# Altium PCB PDM.PcbDoc (part 3 of 4) (continued)
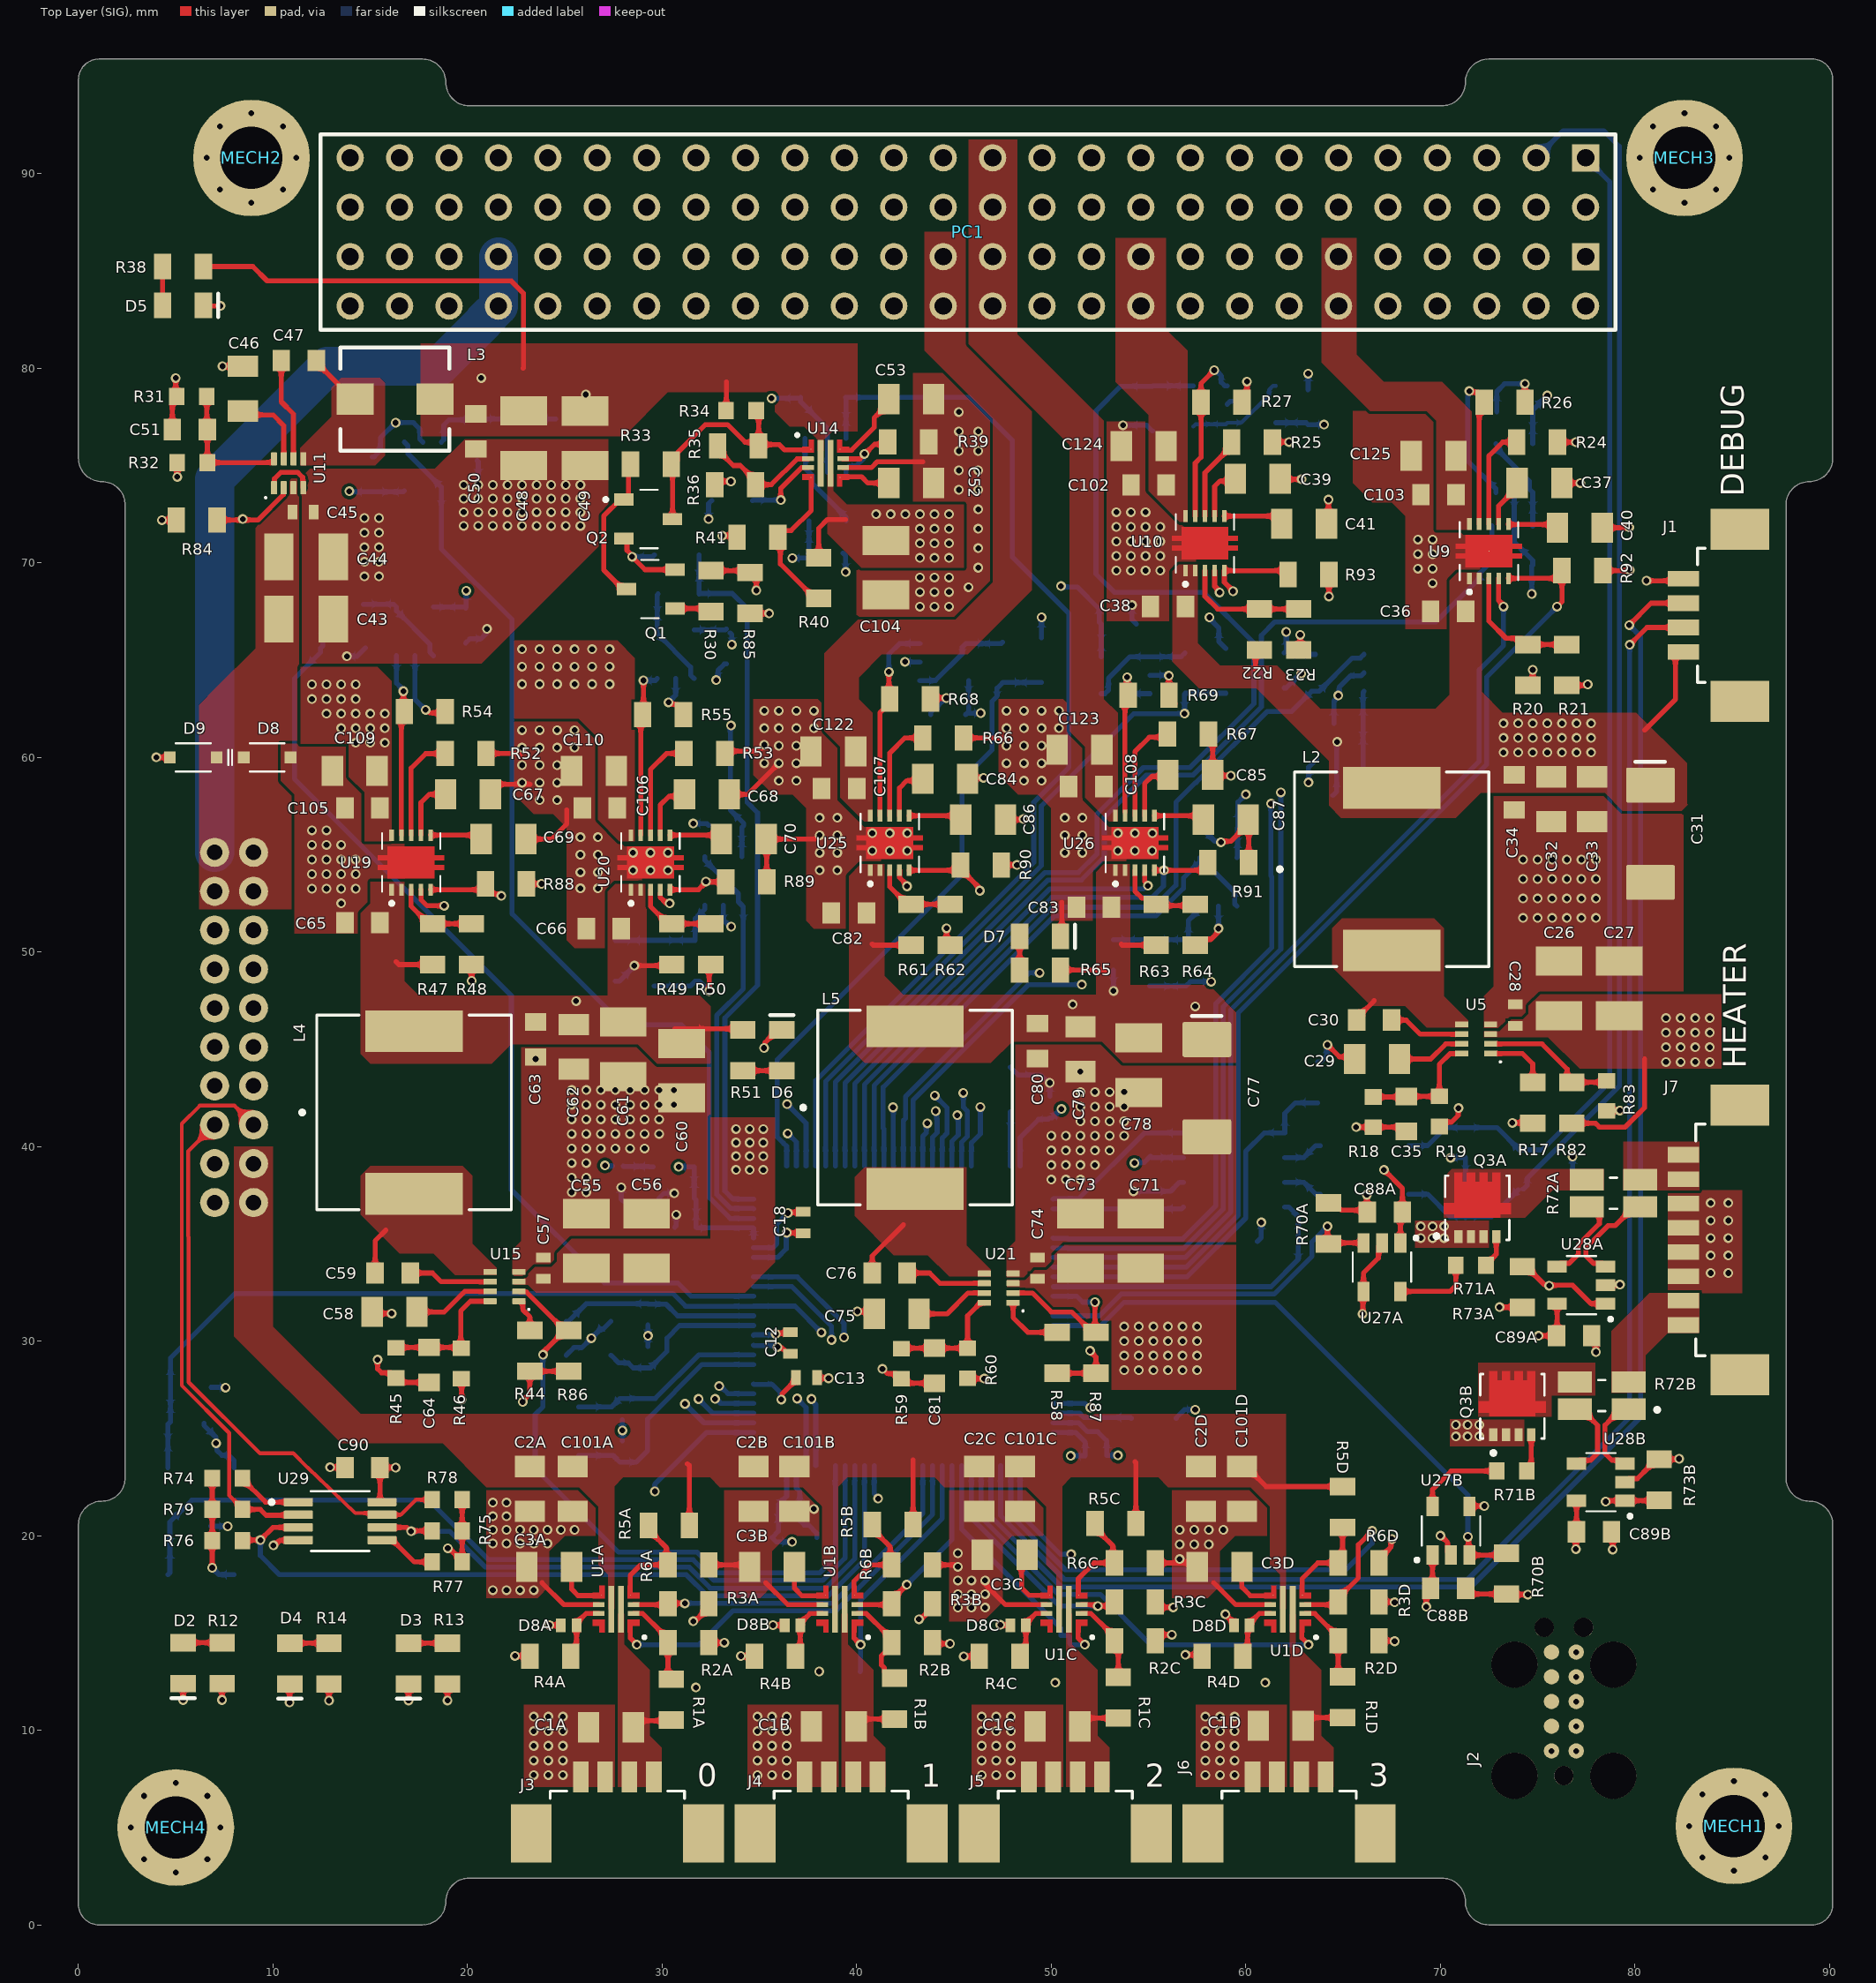
[diagram p0: Top Layer (SIG) view]
## Nets (pads, with @x,y where several pads share a name; then routed paths per layer and width w, separated by ;. In a path a pad name is that pad's centre, name@x,y a point inside that pad or via, vN(x,y) a via of type N, cw(c..) or ccw(c..) an arc to the next point about the centre after c; other vN are vias at no path point) (continued)
  Top Layer (SIG) w0.254: C30.1@65.7,46.5 65.7,46.6 66.6,47.5
NetC30_2: C30.2 U5.6 | length 3.9
  Top Layer (SIG) w0.254: C30.2@67.5,46.5 68.25,46.5 68.975,45.775 U5.6@71.1,45.775
NetC35_1: C35.1 R18.1 R19.2 U5.8 | length 6.4
  Top Layer (SIG) w0.254: R18.1@66.55,42.55 68.224,42.55 C35.1@68.25,42.575 ; C35.1@68.25,42.575 R19.2@69.95,42.575 69.95,44.225 70.5,44.775 U5.8@71.1,44.775
NetC37_2: C37.2 U9.7 | length 2.5
  Top Layer (SIG) w0.254: U9.7@73,72 73,72.925 73.95,73.875 C37.2@73.95,74.1
NetC39_2: C39.2 U10.7 | length 2.8
  Top Layer (SIG) w0.254: U10.7@58.4,72.4 58.4,73.925 58.675,74.2 59.353,74.2 C39.2@59.466,74.312
NetC40_2: C40.2 U9.6 | length 2.6
  Top Layer (SIG) w0.254: U9.6@73.5,72 73.5,71.976 73.507,71.969 75.856,71.969 C40.2@76.025,71.8
NetC41_2: C41.2 U10.6 | length 3.1
  Top Layer (SIG) w0.254: U10.6@58.9,72.4 61.45,72.4 C41.2@61.85,72
NetC42_2: C42.2 R28.1 R29.2 U12.3 | length 6.8
  Bottom Layer (SIG) w0.254: U12.3@18.65,76.2 18.781,76.331 18.781,77.081 19.05,77.35 R29.2@20.5,77.35 20.55,77.4 C42.2@22.7,77.4 R28.1@24.526,77.4
NetC46_2: C46.2 U11.7 | length 4.1
  Top Layer (SIG) w0.254: C46.2@8.45,77.8 8.65,77.6 10,77.6 10.55,77.05 U11.7@10.55,75.34
NetC47_1: C47.1 L3.1 U11.5 | length 2
  Top Layer (SIG) w0.254: C47.1@12.225,80.4 12.225,80.3 13.5,79.025 L3.1@13.5,78.974
NetC47_2: C47.2 U11.6 | length 5.3
  Top Layer (SIG) w0.254: C47.2@10.425,80.4 10.425,78.275 11.05,77.65 U11.6@11.05,75.34
NetC51_1: C51.1 R31.1 R32.2 U11.8 | length 7
  Top Layer (SIG) w0.254: R31.1@6.599,78.55 6.599,76.876 C51.1@6.625,76.85 R32.2@6.625,75.15 ; R32.2@6.625,75.15 10.027,75.15 10.05,75.173 U11.8@10.05,75.34
NetC52_2: C52.2 U14.7 | length 2.6
  Top Layer (SIG) w0.254: U14.7@39.15,74.391 39.178,74.42 40.255,74.42 40.575,74.1 C52.2@41.65,74.1
NetC53_2: C53.2 U14.10 | length 4
  Top Layer (SIG) w0.254: U14.10@39.15,75.841 39.204,75.788 39.735,75.788 40.9,76.953 40.9,77.441 41.65,78.191 C53.2@41.65,78.416
NetC54_2: C54.2 R42.1 R43.2 U16.3 | length 6.1
  Bottom Layer (SIG) w0.254: R42.1@27.6,50.6 R43.2@31.7,50.6 31.7,51.71 32.2,52.21 U16.3@32.2,52.4
NetC58_2: C58.2 U15.7 | length 4.2
  Top Layer (SIG) w0.254: C58.2@17.4,31.5 18.8,31.5 19.85,32.55 U15.7@21.16,32.55
NetC59_1: C59.1 L4.1 U15.5 | length 2.4
  Top Layer (SIG) w0.254: C59.1@15.25,33.5 15.25,35.15 15.8,35.7
NetC59_2: C59.2 U15.6 | length 4.3
  Top Layer (SIG) w0.254: C59.2@17.05,33.5 18.2,33.5 18.65,33.05 U15.6@21.16,33.05
NetC64_1: C64.1 R45.1 R46.2 U15.8 | length 7
  Top Layer (SIG) w0.254: R45.1@16.325,29.649 16.351,29.675 C64.1@18.025,29.675 19.625,29.675 R46.2@19.675,29.625 19.648,29.651 19.648,31.548 20.15,32.05 U15.8@21.16,32.05
NetC67_2: C67.2 U19.7 | length 3.1
  Top Layer (SIG) w0.254: U19.7@17.6,56 17.6,57.675 18.025,58.1 C67.2@18.875,58.1
NetC68_2: C68.2 U20.7 | length 3
  Top Layer (SIG) w0.254: U20.7@29.9,56 29.9,57.55 30.35,58 31.05,58 C68.2@31.15,58.1
NetC69_2: C69.2 U19.6 | length 2.6
  Top Layer (SIG) w0.254: U19.6@18.1,56 20.277,56 C69.2@20.7,55.8
NetC70_2: C70.2 U20.6 | length 2.7
  Top Layer (SIG) w0.254: U20.6@30.4,56 32.85,56 C70.2@33.05,55.8
NetC72_2: C72.2 R56.1 R57.2 U22.3 | length 5.9
  Bottom Layer (SIG) w0.254: R56.1@53.2,50.624 R57.2@57.101,50.624 ; R57.2@57.15,50.575 R57.2@57.101,50.624 ; U22.3@57.716,52.284 57.05,51.618 57.05,50.675 R57.2@57.101,50.624
NetC75_2: C75.2 U21.7 | length 3.8
  Top Layer (SIG) w0.254: C75.2@43.2,31.4 44.65,31.4 45.725,32.475 U21.7@46.56,32.475
NetC76_1: C76.1 L5.1 U21.5 | length 3.1
  Top Layer (SIG) w0.254: C76.1@40.8,33.5 40.8,34.376 42.402,35.977
NetC76_2: C76.2 U21.6 | length 4.2
  Top Layer (SIG) w0.254: C76.2@42.601,33.501 43.749,33.501 44.275,32.975 U21.6@46.56,32.975
NetC81_1: C81.1 R59.1 R60.2 U21.8 | length 6.2
  Top Layer (SIG) w0.254: R59.1@42.3,29.612 42.325,29.637 R60.2@45.7,29.637 45.7,31.3 46.352,31.952 46.537,31.952 U21.8@46.56,31.975
NetC84_2: C84.2 U25.7 | length 2.8
  Top Layer (SIG) w0.254: U25.7@42.2,57 42.2,58.425 42.575,58.8 43.3,58.8 C84.2@43.4,58.9
NetC85_2: C85.2 U26.7 | length 3
  Top Layer (SIG) w0.254: U26.7@54.8,57 54.8,58.65 55.175,59.025 55.925,59.025 C85.2@56,59.1
NetC86_2: C86.2 U25.6 | length 2.7
  Top Layer (SIG) w0.254: U25.6@42.7,57 45.15,57 C86.2@45.35,56.8
NetC87_2: C87.2 U26.6 | length 2.6
  Top Layer (SIG) w0.254: U26.6@55.3,57 57.625,57 C87.2@57.825,56.8
NetD2_A: D2.A R12.1 | length 2
  Top Layer (SIG) w0.254: D2.A@5.38,14.5 R12.1@7.38,14.5
NetD3_A: D3.A R13.1 | length 2
  Top Layer (SIG) w0.254: D3.A@16.966,14.475 R13.1@18.966,14.475
NetD4_A: D4.A R14.1 | length 2
  Top Layer (SIG) w0.254: D4.A@10.866,14.475 R14.1@12.866,14.475
NetD5_A: D5.A R38.1 | length 2
  Top Layer (SIG) w0.254: D5.A@4.325,83.228 R38.1@4.325,85.228
NetD6_A: D6.A R51.1 | length 2
  Top Layer (SIG) w0.254: R51.1@34.15,43.9 D6.A@36.15,43.9
NetD7_A: D7.A R65.1 | length 1.7
  Top Layer (SIG) w0.254: R65.1@48.375,49.075 D7.A@48.375,50.8
NetD8A_2: D8A.2 R4A.2 U1A.9 | length 3
  Top Layer (SIG) w0.254: R4A.2@25.3,13.8 25.6,14.1 D8A.2@25.6,15.4 ; D8A.2@25.681,15.594 25.694,15.594 25.723,15.623 25.723,15.636 26.087,16 U1A.9@26.736,16
NetD8B_2: D8B.2 R4B.2 U1B.9 | length 3
  Top Layer (SIG) w0.254: R4B.2@36.85,13.8 37.1,14.05 D8B.2@37.1,15.4 ; D8B.2@37.1,15.5 37.6,16 U1B.9@38.236,16
NetD8C_2: D8C.2 R4C.2 U1C.9 | length 3
  Top Layer (SIG) w0.254: R4C.2@48.4,13.8 48.7,14.1 D8C.2@48.7,15.4 ; D8C.2@48.7,15.5 49.198,15.998 49.759,15.998 U1C.9@49.761,16
NetD8D_2: D8D.2 R4D.2 U1D.9 | length 3
  Top Layer (SIG) w0.254: R4D.2@59.85,13.8 60.093,14.043 60.093,15.293 D8D.2@60.2,15.4 ; D8D.2@60.2,15.5 60.698,15.998 61.259,15.998 U1D.9@61.261,16
NetJ7_1: J7.1 J7.2 R72B.1
NetJ7_7: J7.7 J7.8 R72A.1
NetL1_1: L1.1 U4.7 | length 2.1
  Bottom Layer (SIG) w0.254: U4.7@62.005,38.165 62.985,38.165 63.6,37.55 L1.1@63.825,37.55
NetL1_2: L1.2 U4.6 | length 2.1
  Bottom Layer (SIG) w0.254: U4.6@62.005,39.435 62.985,39.435 63.6,40.05 L1.2@63.825,40.05
NetQ1_D: Q1.D Q2.G R33.1 | length 7.7
  Top Layer (SIG) w0.254: Q2.G@28.025,73.25 28.083,73.25 28.266,73.433 28.266,74.961 R33.1@28.373,75.069 ; Q2.G@28.034,73.25 27.844,73.25 27,72.406 27,69.626 27.976,68.65 Q1.D@28.166,68.65
NetQ1_G: Q1.G R30.1 | length 1.9
  Top Layer (SIG) w0.254: Q1.G@30.666,67.65 32.366,67.65 R30.1@32.516,67.5
NetQ2_D: Q2.D R33.2 R34.1 R35.2 U14.1 | length 13.5
  Top Layer (SIG) w0.254: Q2.D@30.534,72.25 30.534,75.001 30.796,75.264 30.796,75.671 32.226,77.1 33.362,77.1 34.268,76.195 34.772,76.195 R35.2@34.95,76.016 35.009,76.075 36.025,76.075 36.294,75.806 37.615,75.806 U14.1@37.65,75.841 ; R34.1@34.65,77.816 34.658,77.816 34.966,77.508 R35.2@34.966,76.033
NetQ3A_D: Q3A.D R72A.4
NetQ3A_G: Q3A.G R71A.2 | length 1.7
  Top Layer (SIG) w0.254: R71A.2@72.349,33.9 72.349,33.937 72.875,34.463 Q3A.G@72.875,35.38
NetQ3B_D: Q3B.D R72B.4
NetQ3B_G: Q3B.G R71B.2 | length 1.9
  Top Layer (SIG) w0.254: R71B.2@74.45,23.325 74.675,23.55 Q3B.G@74.675,25.18
NetR1A_1: R1A.1 R2A.2 U1A.2 | length 4.5
  Top Layer (SIG) w0.254: U1A.2@28.536,16 29.003,16 29.977,15.026 29.977,14.823 R2A.2@30.3,14.5 30.3,12.8 R1A.1@30.475,12.625
NetR1B_1: R1B.1 R2B.2 U1B.2 | length 5
  Top Layer (SIG) w0.254: U1B.2@40.036,16 40.496,16 41.473,15.023 41.477,15.023 41.8,14.7 41.8,14.3 41.477,13.977 41.419,13.977 41.27,13.828 41.27,13.355 41.427,13.198 41.427,12.998 41.75,12.675 R1B.1@41.95,12.675
NetR1C_1: R1C.1 R2C.2 U1C.2 | length 4.3
  Top Layer (SIG) w0.254: U1C.2@51.561,16 52.044,16 52.921,15.123 52.927,15.123 53.45,14.6 R1C.1@53.45,12.725
NetR1D_1: R1D.1 R2D.2 U1D.2 | length 4.3
  Top Layer (SIG) w0.254: U1D.2@63.061,16 63.063,15.998 63.552,15.998 64.75,14.8 R2D.2@64.75,14.6 64.75,12.975 R1D.1@64.975,12.75
NetR5A_1: R5A.1 R6A.2 U1A.4 | length 5.6
  Top Layer (SIG) w0.254: U1A.4@28.386,16.95 28.362,16.974 28.362,17.962 28.9,18.5 R6A.2@30.3,18.5 30.221,18.579 30.221,19.382 29.623,19.98 29.623,20.202 R5A.1@29.3,20.525
NetR5B_1: R5B.1 R6B.2 U1B.4 | length 4.7
  Top Layer (SIG) w0.254: U1B.4@39.886,16.95 39.865,16.971 39.865,17.665 40.7,18.5 R6B.2@41.8,18.5 ; R5B.1@41.123,20.03 41.721,19.432 R6B.2@41.721,18.629
NetR5C_1: R5C.1 R6C.2 U1C.4 | length 4.9
  Top Layer (SIG) w0.254: U1C.4@51.411,16.95 51.393,16.969 51.393,17.793 52.2,18.6 R6C.2@53.25,18.6 ; R5C.1@52.25,20.425 R5C.1@52.25,20.625 ; R5C.1@52.573,20.08 53.171,19.482 R6C.2@53.171,18.679
NetR5D_1: R5D.1 R6D.2 U1D.4 | length 5
  Top Layer (SIG) w0.254: U1D.4@62.911,16.95 62.892,16.969 62.892,17.792 63.7,18.6 R6D.2@64.75,18.6 64.975,18.825 R5D.1@64.975,20.425
NetR7_1: R7.1 U7.1 U7.4 | length 5
  Bottom Layer (SIG) w0.254: U7.4@72.85,76.118 73.033,75.935 73.033,75.735 74.567,74.201 74.567,73.801 U7.1@74.75,73.618 R7.1@74.75,71.893
NetR17_2: R17.2 U5.1 | length 3.3
  Top Layer (SIG) w0.254: U5.1@72.58,44.775 74.225,44.775 74.75,44.25 R17.2@74.75,43.3
NetR20_1: R20.1 R21.2 U9.3 | length 6.7
  Top Layer (SIG) w0.254: U9.3@72.5,69.2 72.5,67 73.377,66.123 74.177,66.123 R20.1@74.5,65.8 R21.2@76.5,65.8
NetR22_1: R22.1 R23.2 U10.3 | length 6.4
  Top Layer (SIG) w0.254: U10.3@57.9,69.6 57.9,68.275 58.55,67.625 R22.1@60.7,67.625 R23.2@62.725,67.625
NetR24_2: R24.2 U9.8 | length 5.2
  Top Layer (SIG) w0.254: U9.8@72.5,72 72.5,75.5 73.2,76.2 R24.2@73.925,76.2
NetR25_2: R25.2 U10.8 | length 4.4
  Top Layer (SIG) w0.254: U10.8@57.9,72.4 57.9,74.625 59.275,76 R25.2@59.275,76.2
NetR35_1: R35.1 R36.2 U14.2 | length 6.3
  Top Layer (SIG) w0.254: R35.1@32.85,76.016 32.85,75.816 33.666,75 34.016,75 34.8,74.216 R36.2@34.8,74.016 35.616,74.016 36.941,75.341 U14.2@37.5,75.341
NetR40_1: R40.1 R41.2 U14.4 | length 8.1
  Top Layer (SIG) w0.254: R41.2@35.95,71.316 36.077,71.19 36.077,69.94 37.85,68.166 R40.1@38.05,68.166 ; R41.2@35.95,71.334 36.273,71.657 36.632,71.657 37.667,72.692 37.667,74.375
NetR44_2: R44.2 U15.1 | length 1.8
  Top Layer (SIG) w0.254: U15.1@22.64,32.05 22.825,32.05 22.848,32.027 22.848,31.605 23.2,31.253 R44.2@23.2,30.55
NetR47_1: R47.1 R48.2 U19.3 | length 4.3
  Top Layer (SIG) w0.254: U19.3@17.1,53.2 17.1,52.35 18,51.45 R47.1@18.2,51.45 R48.2@20.2,51.45
NetR49_1: R49.1 R50.2 U20.3 | length 4.3
  Top Layer (SIG) w0.254: U20.3@29.4,53.2 29.4,52.35 30.3,51.45 R49.1@30.5,51.45 R50.2@32.5,51.45
NetR52_2: R52.2 U19.8 | length 5.5
  Top Layer (SIG) w0.254: U19.8@17.1,56 17.1,59.45 17.843,60.193 18.843,60.193 R52.2@18.85,60.2
NetR53_2: R53.2 U20.8 | length 5.4
  Top Layer (SIG) w0.254: U20.8@29.4,56 29.4,59.375 30.225,60.2 R53.2@31.125,60.2
NetR58_2: R58.2 U21.1 | length 3.3
  Top Layer (SIG) w0.254: U21.1@48.04,31.975 48.04,31.21 48.8,30.45 R58.2@50.3,30.45
NetR61_1: R61.1 R62.2 U25.3 | length 4.3
  Top Layer (SIG) w0.254: U25.3@41.7,54.2 41.7,53.35 42.6,52.45 R61.1@42.8,52.45 R62.2@44.8,52.45
NetR63_1: R63.1 R64.2 U26.3 | length 4.5
  Top Layer (SIG) w0.254: U26.3@54.3,54.2 54.3,53.129 54.656,52.773 55.077,52.773 55.466,52.384 57.334,52.384 R64.2@57.4,52.45
NetR66_2: R66.2 U25.8 | length 5.2
  Top Layer (SIG) w0.254: U25.8@41.7,57 41.7,60.225 42.475,61 R66.2@43.4,61
NetR67_2: R67.2 U26.8 | length 5.3
  Top Layer (SIG) w0.254: U26.8@54.3,57 54.3,60.294 55.043,61.037 55.812,61.037 R67.2@55.975,61.2
NetR71A_1: R71A.1 U27A.5 | length 4
  Top Layer (SIG) w0.254: U27A.5@67.95,32.55 70.5,32.55 70.801,32.851 R71A.1@70.801,33.9
NetR71B_1: R71B.1 U27B.5 | length 4.6
  Top Layer (SIG) w0.254: U27B.5@69.6,21.5 69.6,22.375 70.55,23.325 R71B.1@72.901,23.325
NetR72A_2: R72A.2 U28A.3 | length 5.3
  Top Layer (SIG) w0.254: U28A.3@78.5,33.825 78.317,34.008 77.851,34.008 77.475,34.384 77.475,34.788 78.624,35.937 78.987,35.937 79.95,36.9 R72A.2@80.275,36.9
NetR72A_3: R72A.3 U28A.4 | length 4.7
  Top Layer (SIG) w0.254: U28A.4@76,33.825 76.183,34.008 76.641,34.008 77.091,34.458 77.091,34.947 78.179,36.035 78.179,36.477 77.756,36.9 R72A.3@77.525,36.9
NetR72B_2: R72B.2 U28B.3 | length 4.1
  Top Layer (SIG) w0.254: U28B.3@79.308,23.702 79.127,23.883 78.812,23.883 78.467,24.228 78.467,25.683 78.861,26.077 79.252,26.077 R72B.2@79.675,26.5
NetR72B_3: R72B.3 U28B.4 | length 4.2
  Top Layer (SIG) w0.254: R72B.3@76.925,26.5 77.25,26.5 78.083,25.667 78.083,24.233 77.733,23.883 77.183,23.883 U28B.4@77,23.7
NetR77_1: R77.1 U29.5 | length 3
  Top Layer (SIG) w0.254: U29.5@15.6,19.775 16.135,19.775 17.26,18.65 R77.1@18.176,18.65
NetR82_1: R82.1 R83.2 U5.2 | length 7.1
  Top Layer (SIG) w0.254: U5.2@72.58,45.275 75.225,45.275 76.518,43.982 76.518,43.532 R82.1@76.75,43.3 78.475,43.3 R83.2@78.55,43.375
NetR94_1: R94.1 U8.1 U8.4 | length 5.3
  Bottom Layer (SIG) w0.2: R94.1@57.3,77 57.425,77.125 58.975,77.125 U8.1@59.05,77.2 59.775,77.2 61.195,78.62 61.195,78.89 61.405,79.1 U8.4@61.55,79.1
NetR95_1: R95.1 U13.1 U13.4 | length 5.1
  Bottom Layer (SIG) w0.254: R95.1@37.35,76.4 37.35,75.369 37.367,75.352 37.367,74.833 U13.1@37.55,74.65 37.733,74.467 37.733,74.057 39.45,72.34 U13.4@39.45,72.15
NetR96_1: R96.1 U17.1 U17.4 | length 5
  Bottom Layer (SIG) w0.254: R96.1@14.65,67.875 16.2,67.875 U17.4@16.35,67.725 16.35,67.535 18.067,65.818 18.067,65.408 U17.1@18.25,65.225
NetR97_1: R97.1 U18.1 U18.4 | length 5.2
  Bottom Layer (SIG) w0.254: R97.1@29.8,68.4 29.75,68.35 U18.4@29.75,66.55 29.75,66.36 31.467,64.643 31.467,64.233 U18.1@31.65,64.05
NetR98_1: R98.1 U23.1 U23.4 | length 5.3
  Bottom Layer (SIG) w0.254: U23.1@43.25,63.95 44.05,63.95 45.43,65.33 45.43,65.667 45.613,65.85 47.427,65.85 R98.1@47.5,65.923
NetR99_1: R99.1 U24.1 U24.4 | length 5.5
  Bottom Layer (SIG) w0.254: U24.4@52.572,63.275 52.762,63.275 52.945,63.458 52.945,64.07 54.05,65.175 U24.1@55.072,65.175 56.675,65.175 R99.1@56.875,65.375
nRST: C20.2 J2.10 R9.1 S2.1 U3.14 | length 91
  Layer 3 (SIG) w0.254: v1(38.183,30.443) 38.182,30.442 38.182,29.493 40.968,26.707 47.179,26.707 49.235,24.651 49.235,20.123 52.458,16.9 63.494,16.9 69.358,11.036 69.4,11.036 69.445,10.991 73.659,10.991 v1(75.715,8.935)
  Bottom Layer (SIG) w0.254: S2.1@4.6,23.5 4.6,25.725 C20.2@4.65,25.775 4.725,25.85 R9.1@4.725,27.625 4.725,29.125 8.05,32.45 30.55,32.45 31.209,31.791 U3.14@34.691,31.791 ; U3.14@34.7,31.8 36.825,31.8 v1@38.182,30.443
OBC_IOCP: R26.2 U7.3 U9.9 | length 13.3
  Top Layer (SIG) w0.254: v1(71.493,78.823) 71.559,78.823 71.61,78.773 71.927,78.773 72.25,78.45 R26.2@72.25,78.25 72,78 U9.9@72,72
  Bottom Layer (SIG) w0.254: v1(71.493,78.823) 71.446,78.776 71.446,78.602 71.4,78.557 71.4,75.258 72.85,73.808 U7.3@72.85,73.618
PANEL0: C1A.2 J3.3 J3.4 R1A.2 U1A.5 | length 2.1
  Top Layer (SIG) w0.254: C1A.2@28.525,10.15 28.863,10.488 30.438,10.488 R1A.2@30.475,10.525
PANEL1: C1B.2 J4.3 J4.4 R1B.2 U1B.5 | length 1.8
  Top Layer (SIG) w0.254: C1B.2@40.131,10.539 40.167,10.575 R1B.2@41.95,10.575
PANEL2: C1C.2 J5.3 J5.4 R1C.2 U1C.5 | length 2.2
  Top Layer (SIG) w0.254: C1C.2@51.475,10.2 51.475,10.202 51.898,10.625 R1C.2@53.45,10.625
PANEL3: C1D.2 J6.3 J6.4 R1D.2 U1D.5 | length 2.2
  Top Layer (SIG) w0.254: C1D.2@62.95,10.225 C1D.2@62.95,10.225 63.373,10.65 R1D.2@64.975,10.65
PANEL_EN0: R100A.2 U1A.1 U3.85 | length 21.7
  Top Layer (SIG) w0.254: U1A.1@28.386,15.5 28.362,15.476 28.362,14.738 v1(28.7,14.4)
  Bottom Layer (SIG) w0.254: v1(28.7,14.4) 31.9,14.4 33.647,16.147 38.947,16.147 43.9,21.1 U3.85@43.9,23.6
PANEL_EN1: R100B.2 U1B.1 U3.84 | length 13.5
  Top Layer (SIG) w0.254: 39.869,15.482 39.869,14.731 v1(40.2,14.4)
  Bottom Layer (SIG) w0.254: R100B.2@40.175,13.021 40.2,13.047 v1(40.2,14.4) 40.2,16.697 44.4,20.897 U3.84@44.4,23.6
PANEL_EN2: R100C.2 U1C.1 U3.82 | length 13.7
  Top Layer (SIG) w0.254: U1C.1@51.411,15.5 51.382,15.471 51.382,14.743 v1(51.725,14.4)
  Bottom Layer (SIG) w0.254: U3.82@45.4,23.6 45.4,20.333 50.5,15.232 50.5,14.873 50.86,14.873 50.941,14.791 50.941,14.482 51.023,14.4 v1(51.725,14.4)
PANEL_EN3: R100D.2 U1D.1 U3.80 | length 23.4
  Top Layer (SIG) w0.254: U1D.1@62.911,15.5 62.887,15.475 62.887,14.738 v1(63.225,14.4)
  Bottom Layer (SIG) w0.254: U3.80@46.4,23.6 46.4,20.943 50.361,16.982 52.518,16.982 55.1,14.4 v1(63.225,14.4)
PANEL_PG0: R3A.1 U1A.3 U3.86 | length 19.3
  Top Layer (SIG) w0.254: U1A.3@28.536,16.45 30.25,16.45 30.317,16.517 v1(31.168,16.517)
  Bottom Layer (SIG) w0.254: v1(31.168,16.517) 31.182,16.531 38.788,16.531 43.4,21.143 U3.86@43.4,23.6
PANEL_PG1: R3B.1 U1B.3 U3.83 | length 10.2
  Top Layer (SIG) w0.254: U1B.3@40.036,16.45 41.75,16.45 R3B.1@41.8,16.5 41.8,16.7 42.579,17.479 v1(42.579,17.483)
  Bottom Layer (SIG) w0.254: v1(42.579,17.483) 44.9,19.804 U3.83@44.9,23.6
PANEL_PG2: R3C.1 U1C.3 U3.81 | length 12.9
  Top Layer (SIG) w0.254: U1C.3@51.561,16.45 52.266,16.45 52.328,16.388 v1(52.395,16.388) ; v1@52.395,16.452 52.459,16.388 53.038,16.388 R3C.1@53.25,16.6
  Bottom Layer (SIG) w0.254: U3.81@45.9,23.6 45.9,20.9 50.412,16.388 v1(52.395,16.388)
PANEL_PG3: R3D.1 U1D.3 U3.77 | length 29.6
  Top Layer (SIG) w0.254: U1D.3@63.061,16.45 64.6,16.45 R3D.1@64.75,16.6 64.75,16.8 65.787,17.836 65.787,19.537 v1(66.5,20.25)
  Bottom Layer (SIG) w0.254: U3.77@47.9,23.6 47.923,23.577 47.923,21.049 50.722,18.25 65.129,18.25 66.5,19.621 v1(66.5,20.25)
RADIO_ILM: R39.2 U13.3 U14.9 | length 4.2
  Top Layer (SIG) w0.254: U14.9@39.3,75.341 40.169,75.341 40.918,76.09 41.474,76.09 R39.2@41.6,76.216
  Bottom Layer (SIG) w0.254: U13.3@39.45,74.65 39.45,74.787 39.633,74.97 39.971,74.97 40.353,75.352 40.353,75.553 v1(40.4,75.6)
SWCLK: J2.4 U3.76 | length 35.7
  Layer 3 (SIG) w0.254: v1(51.025,19.05) 51.092,19.05 52.858,17.284 63.695,17.284 69.604,11.375 75.675,11.375 76.985,12.685 v1(76.985,12.745)
  Bottom Layer (SIG) w0.254: U3.76@48.4,23.6 48.4,21.115 50.465,19.05 v1(51.025,19.05)
SWDIO: J2.2 U3.72 | length 48.7
  Layer 3 (SIG) w0.254: v1(52.014,26.584) 52.014,18.874 53.198,17.69 79.11,17.69 81.1,15.7 81.1,11.9 79.405,10.205 v1(76.985,10.205)
  Bottom Layer (SIG) w0.254: U3.72@50.1,26.8 51.731,26.8 51.947,26.584 v1(52.014,26.584)
SYS: C26.2 C27.2 C28.2 C43.2 C44.2 C45.2 C55.2 C56.2 C57.2 C71.2 C73.2 C74.2 D8.K D9.K J7.3 J7.4 J7.5 J7.6 J8.1 J8.2 J8.3 J8.4 PC1.B45 PC1.B46 R82.2 U5.3 U11.3 U15.3 U21.3 | length 46.8
  Top Layer (SIG) w0.254: R82.2@76.75,41.2 77.975,41.2 78.175,41 79.5,41 80.5,42 80.5,44.5
  Bottom Layer (SIG) w2: J8.1@7,55.118 7,74.3 12.8,80.1 18.547,80.1 20.879,82.432 20.879,82.479 PC1.B46@21.59,83.19 PC1.B45@21.59,85.73
  other v1: 53.75,28.5 54.5,28.5 55.25,28.5 56,28.5 56.75,28.5 57.5,28.5 53.75,29.25 54.5,29.25 55.25,29.25 56,29.25 56.75,29.25 57.5,29.25 53.75,30 54.5,30 55.25,30 56,30 56.75,30 57.5,30 53.75,30.75 54.5,30.75 55.25,30.75 56,30.75 56.75,30.75 57.5,30.75 83.9,33.5 84.8,33.5 83.9,34.4 84.8,34.4 83.9,35.3 84.8,35.3 83.9,36.2 84.8,36.2 83.9,37.1 84.8,37.1 33.8,38.8 34.5,38.8 35.2,38.8 33.8,39.5 34.5,39.5 35.2,39.5 33.8,40.2 34.5,40.2 35.2,40.2 33.8,40.9 34.5,40.9 35.2,40.9 81.6,44.35 82.35,44.35 83.1,44.35 83.85,44.35 81.6,45.1 82.35,45.1 83.1,45.1 83.85,45.1 81.6,45.85 82.35,45.85 83.1,45.85 83.85,45.85 81.6,46.6 82.35,46.6 83.1,46.6 83.85,46.6
VPANEL: C2A.2 C2B.2 C2C.2 C2D.2 C101A.2 C101B.2 C101C.2 C101D.2 J8.18 J8.20 R5A.2 R5B.2 R5C.2 R5D.2 U1A.6 U1B.6 U1C.6 U1D.6 | length 15.3
  Top Layer (SIG) w0.254: 31.3,23.7 31.4,23.6 R5A.2@31.4,20.525 ; R5B.2@42.9,20.575 42.9,23.9 ; 54.3,23.8 54.35,23.75 R5C.2@54.35,20.625 ; C101D.2@59.8,23.55 60.025,23.55 61.05,22.525 R5D.2@64.975,22.525
pads on no net: J1.S1 J1.S2 J2. J2.6 J2.7 J2.8 J2.9 J3.S1 J3.S2 J4.S1 J4.S2 J5.S1 J5.S2 J6.S1 J6.S2 J7.S1 J7.S2 PC1.A2 PC1.A4 PC1.A5 PC1.A6 PC1.A7 PC1.A8 PC1.A9 PC1.A10 PC1.A11 PC1.A12 PC1.A13 PC1.A14 PC1.A15 PC1.A16 PC1.A17 PC1.A18 PC1.A19 PC1.A20 PC1.A21 PC1.A22 PC1.A23 PC1.A24 PC1.A27 PC1.A28 PC1.A33 PC1.A34 PC1.A35 PC1.A36 PC1.A37 PC1.A38 PC1.A39 PC1.A40 PC1.A41 PC1.A42 PC1.A43 PC1.A44 PC1.A45 PC1.A46 PC1.A47 PC1.A48 PC1.A49 PC1.A50 PC1.B1 PC1.B2 PC1.B3 PC1.B4 PC1.B6 PC1.B8 PC1.B9 PC1.B10 PC1.B13 PC1.B14 PC1.B15 PC1.B16 PC1.B17 PC1.B18 PC1.B21 PC1.B22 PC1.B23 PC1.B24 PC1.B33 PC1.B34 PC1.B35 PC1.B36 PC1.B37 PC1.B38 PC1.B39 PC1.B40 PC1.B41 PC1.B42 PC1.B43 PC1.B44 PC1.B47 PC1.B48 U1A.10 U1B.10 U1C.10 U1D.10 U3.7 U3.18 U3.46 U3.47 U3.48 U3.53 U3.54 U3.62 U3.65 U3.66 U3.67 U3.68 U3.69 U3.70 U3.71 U3.87 U3.88 U3.89 U3.90 U3.96

## Polygon pours and split planes (outlines as drawn)
GND on Top Layer (SIG) "Topside Ground" (solid, pour order 139): 11.247,74.177 11.247,73.47 11.296,73.421 11.296,64.825 20.725,64.825 27.229,71.329 27.229,76.525 20.025,76.525 18.325,74.825 11.894,74.825
GND on Top Layer (SIG) "GND_L01_P084" (solid, pour order 84): 72.75,58.225 72.75,48.225 72.25,47.725 72.25,45.925 73.04,45.925 73.64,46.525 74.24,46.525 74.6,46.885 74.6,47.285 75.04,47.725 82.5,47.725 82.5,57.225 79.75,57.225 78.75,58.225
+3V3 on Top Layer (SIG) "Topside Ground" (solid, pour order 30): 56.55,69.9 56.225,69.575 56.225,64.925 57.6,63.55 60.55,63.55 64.275,59.825 64.275,57.531 64.906,56.9 70.8,56.9 72.075,58.175 78.45,58.175 79.375,57.25 82.4,57.25 82.725,57.575 82.675,57.625 82.675,59.7 80.075,62.3 73.2,62.3 72.12,63.38 72.12,69.5 70.875,69.5 70.475,69.1 70.475,63.225 69.75,62.5 63.825,62.5 61.6,64.725 58.675,64.725 57.52,65.88 57.52,69.9 56.886,69.9
GND on Top Layer (SIG) "GND_L01_P083" (solid, pour order 83): 48.15,45.25 48.15,35.14 47.705,34.695 47.705,33.291 48.591,33.291 49.1,33.8 49.7,33.8 50,34.1 50,34.5 50.6,35.1 59.5,35.1 59.5,44.25 53.75,44.25 52.75,45.25
+5V on Top Layer (SIG) "Topside Ground" (solid, pour order 20): 40.2,54.5 39.6,53.9 39.6,45.1 40.4,44.3 46.9,44.3 48,45.4 52.6,45.4 53.7,44.3 59.5,44.3 59.5,46.9 58.1,48.3 54.049,48.3 54.049,54.5 52.7,54.5 52.3,54.1 52.3,47.8 42.4,47.8 41.435,48.765 41.435,54.5 41.208,54.5
GND on Top Layer (SIG) "GND_L01_P081" (solid, pour order 81): 22.75,45.25 22.75,35.14 22.305,34.695 22.305,33.2 23.1,33.2 23.7,33.8 24.3,33.8 24.6,34.1 24.6,34.5 25.2,35.1 32.5,35.1 32.5,44.25 29.75,44.25 28.75,45.25
+12V on Top Layer (SIG) "Topside Ground" (solid, pour order 16): 32.5,44.25 32.5,47.2 31.95,47.75 17.5,47.75 16.75,48.5 16.75,53.613 15,53.613 15,52.5 14.5,52 14.5,44.75 15,44.25 21.25,44.25 22.25,45.25 28.75,45.25 29.75,44.25
SYS on Top Layer (SIG) "Topside Ground" (solid, pour order 138): 11.324,74.325 10.7,74.325 10.7,73.4 9.1,71.8 9.1,65.6 7.1,63.6 6.2,62.7 6.2,52.2 9.8,52.2 11.1,52.2 11.1,58.1 10.4,58.8 10.4,60.7 11.324,60.7
SYS on Top Layer (SIG) "SYS_L01_P124" (solid, pour order 124): 47.705,33.291 48.591,33.291 49.1,33.8 49.7,33.8 50,34.1 50,34.5 50.6,35.1 59.5,35.1 59.5,27.5 53.109,27.5 53.109,30.879 51.671,30.879 51.05,31.5 50,31.5 49.025,32.475 47.72,32.475 47.72,33.278
GND on Top Layer (SIG) "Topside Ground" (solid, pour order 137): 10.4,58.8 11.1,58.1 11.1,50.95 14.5,50.95 14.5,52 15,52.5 15,53.613 16.75,53.613 16.75,55.7 14.7,55.7 14.7,58.2 13.9,59 13.9,60.7 10.4,60.7 13.9,60.7 10.4,60.7
+3V3_CH2 on Top Layer (SIG) "+3V3_CH2_L01_P000" (solid, pour order 0): 57,72.1 57,80.9 55.9,82 55.9,86.7 53.3,86.7 53.3,79.3 55,77.6 55,73.7 56.6,72.1
SYS on Top Layer (SIG) "SYS_L01_P005" (solid, pour order 5): 23.1,32.9 23.5,32.5 34.25,32.5 35.8,34.05 35.8,41.5 32.5,41.5 32.5,35.25 25.35,35.25 24.6,34.5 24.6,34.1 24.3,33.8 23.47,33.8 22.87,33.2 22.388,33.2 22.388,32.9
GND on Top Layer (SIG) "GND_L01_P110" (solid, pour order 110): 44.75,22.5 44.75,15.6 46.5,15.6 47.5,16.6 47.5,19.5 48,20 49.725,20 49.725,21.5 48.725,22.5
GND on Top Layer (SIG) "GND_L01_P135" (solid, pour order 135): 74.3,25.51 74.3,24.6 70.5,24.6 70.5,25.984 74.3,25.984
GND on Top Layer (SIG) "GND_L01_P134" (solid, pour order 134): 72.5,35.71 72.5,34.8 68.7,34.8 68.7,36.184 72.5,36.184
GND on Top Layer (SIG) "GND_L01_P105" (solid, remove dead copper, pour order 105): 72.044,71.425 71.175,71.425 69.8,72.8 69.8,77.3 69.3,77.8 65.5,77.8 65.5,74.1 66.5,73.1 67.5,73.1 68.2,72.4 68.2,66.6 72.044,66.6
GND on Top Layer (SIG) "GND_L01_P104" (solid, remove dead copper, pour order 104): 57.444,71.825 56.85,71.825 55.35,73.325 55.35,77.25 52.7,77.25 52.7,73.5 52.7,67 57.444,67
GND on Top Layer (SIG) "GND_L01_P102" (solid, remove dead copper, pour order 102): 53.844,56.425 52.975,56.425 51.6,57.8 51.6,62 50.6,63 47.3,63 47.3,59.1 48.3,58.1 49.3,58.1 50,57.4 50,51.6 53.844,51.6
GND on Top Layer (SIG) "GND_L01_P100" (solid, remove dead copper, pour order 100): 41.244,56.425 40.375,56.425 39,57.8 39,62 38,63 34.7,63 34.7,59.1 35.7,58.1 36.7,58.1 37.4,57.4 37.4,51.6 37.8,51.2 41.244,51.2
GND on Top Layer (SIG) "GND_L01_P099" (solid, remove dead copper, pour order 99): 28.944,55.425 28.075,55.425 26.7,56.8 26.7,61 25.7,62 22.4,62 22.4,58.1 23.4,57.1 24.4,57.1 25.1,56.4 25.1,50.6 25.5,50.2 28.944,50.2
+12V_CH2 on Top Layer (SIG) "+12V_CH2_L01_P098" (solid, pour order 98): 28.6,65.1 27.7,66 22.4,66 22.4,62 25.7,62 26.7,61 26.7,56.8 27.8,55.7 28.6,55.7
SYS on Top Layer (SIG) "Topside Ground" (solid, pour order 76): 81.7,32.475 85.5,32.475 85.5,37.75 81.7,37.75 81.7,37.051
+5V5 on Top Layer (SIG) "Topside Ground" (solid, pour order 10): 17.6,81.266 40.05,81.266 40.05,76.766 38.744,76.766 38.292,76.315 38.3,76.307 38.3,75.752 38,75.752 38,76.316 37.3,77.016 36.55,77.016 35.8,77.766 35.8,78.766 30.3,78.766 28.05,76.516 18.8,76.516 28.05,76.516 17.6,76.516
GND on Top Layer (SIG) "GND_L01_P129" (solid, pour order 129): 27.736,7.1 22.9,7.1 22.9,11.3 27.736,11.3
+5V_CH2 on Top Layer (SIG) "Topside Ground" (solid, pour order 72): 52.7,62.5 52.7,77.3 48.25,81.75 48.25,91.75 45.75,91.75 45.75,81.25 50.95,76.05 50.95,62.5
GND on Top Layer (SIG) "GND_L01_P131" (solid, pour order 131): 62.261,7.1 57.425,7.1 57.425,11.3 62.261,11.3
GND on Top Layer (SIG) "GND_L01_P130" (solid, pour order 130): 50.761,7.1 45.925,7.1 45.925,11.3 50.761,11.3
GND on Top Layer (SIG) "GND_L01_P127" (solid, pour order 127): 39.236,7.1 34.4,7.1 34.4,11.3 39.236,11.3
VPANEL on Top Layer (SIG) "Topside Ground" (solid, pour order 44): 56.25,23 51.025,23 50.525,22.5 50.025,23 50.025,26.25 56.25,26.25
GND on Top Layer (SIG) "GND_L01_P111" (solid, pour order 111): 33.2,22.5 33.2,16.8 35.05,16.8 35.65,17.4 35.65,19.2 36.45,20 38.175,20 38.175,21.5 37.175,22.5
VPANEL on Top Layer (SIG) "Topside Ground" (solid, pour order 38): 50.561,26.25 44,26.25 44,23 44.5,22.5 48.75,22.5 49.75,21.5 49.75,18.5 50.261,17.989 50.261,16.225 50.561,16.225 50.561,15.903
VPANEL on Top Layer (SIG) "Topside Ground" (solid, pour order 39): 39.036,26.25 32.475,26.25 32.475,23 32.975,22.5 37.225,22.5 38.225,21.5 38.225,18.5 38.736,17.989 38.736,16.225 39.036,16.225 39.036,15.903
VPANEL on Top Layer (SIG) "Topside Ground" (solid, pour order 40): 27.536,26.25 20.975,26.25 20.975,22.5 25.725,22.5 26.725,21.5 26.725,18.5 27.236,17.989 27.236,16.225 27.536,16.225 27.536,15.903
VPANEL on Top Layer (SIG) "Topside Ground" (solid, pour order 41): 33.225,23 28,23 27.5,22.5 27,23 27,26.25 33.225,26.25
VPANEL on Top Layer (SIG) "Topside Ground" (solid, pour order 43): 44.75,23 39.525,23 39.025,22.5 38.525,23 38.525,26.25 44.75,26.25
VPANEL on Top Layer (SIG) "VPANEL_L01_P117" (solid, pour order 117): 22.25,26.25 14.5,26.25 10,30.75 10,40 8,40 8,30.25 13.5,24.75 18.725,24.75 20.975,22.5 22.25,22.5
GND on Top Layer (SIG) "GND_L01_P112" (solid, pour order 112): 40,70 40,66.9 44.9,66.9 47,69 47,77.4 44.65,79.75 42.9,79.75 42.9,73 44.5,73 44.5,70
+5V_CH1 on Top Layer (SIG) "Topside Ground" (solid, pour order 79): 38.35,62.5 38.35,65.35 40.07,67.07 45.07,67.07 47,69 47,77.4 43.5,80.9 43.5,87 45.8,87 45.75,86.95 45.75,81.25 49,78 49,68.6 45.7,65.3 41.3,65.3 40.1,64.1 40.1,62.5
GND on Top Layer (SIG) "GND_L01_P106" (solid, pour order 106): 20.975,22.5 20.975,16.8 23.6,16.8 24.2,17.4 24.2,19.2 25,20 26.725,20 26.725,21.5 25.725,22.5
GND on Top Layer (SIG) "GND_L01_P109" (solid, pour order 109): 56.2,22.5 56.2,16.8 58.05,16.8 58.65,17.4 58.65,19.2 59.45,20 61.175,20 61.175,21.5 60.175,22.5
+3V3_CH1 on Top Layer (SIG) "+3V3_CH1_L01_P095" (solid, pour order 95): 71.62,77.78 70.1,79.3 67.1,79.3 65.7,80.7 65.7,86.7 63.9,86.7 63.9,80.3 66.4,77.8 69.3,77.8 69.8,77.3 69.8,71.7 71.62,71.7
+12V_CH1 on Top Layer (SIG) "+12V_CH1_L01_P087" (solid, pour order 87): 16.1,56 16.1,63.925 15.375,64.65 11.412,64.65 11.412,60.7 13.9,60.7 13.9,59 14.7,58.2 14.7,55.7 16.162,55.7
NetQ3A_D on Top Layer (SIG) "Topside Ground" (solid, pour order 46): 74.35,36.35 75.75,37.75 78.4,37.75 78.4,38.85 70.6,38.85 70.17,38.42 70.17,36.35 71.079,36.35
+5V_CH2 on Top Layer (SIG) "Topside Ground" (solid, pour order 67): 52.975,56.7 51.75,57.925 51.75,60.55 50.95,61.35 50.95,63 52.7,63 53.42,62.28 53.42,56.7 53.287,56.7
NetC76_1 on Top Layer (SIG) "Topside Ground" (solid, pour order 23): 39.9,36.425 41.9,34.425 43.65,34.425 44.749,33.326 46.885,33.326 46.885,33.479 46.895,33.489 46.895,33.68 45.65,34.925 45.65,38.925 40.4,38.925 39.9,38.425